# KiCad board vme-wren.kicad_pcb (continued)
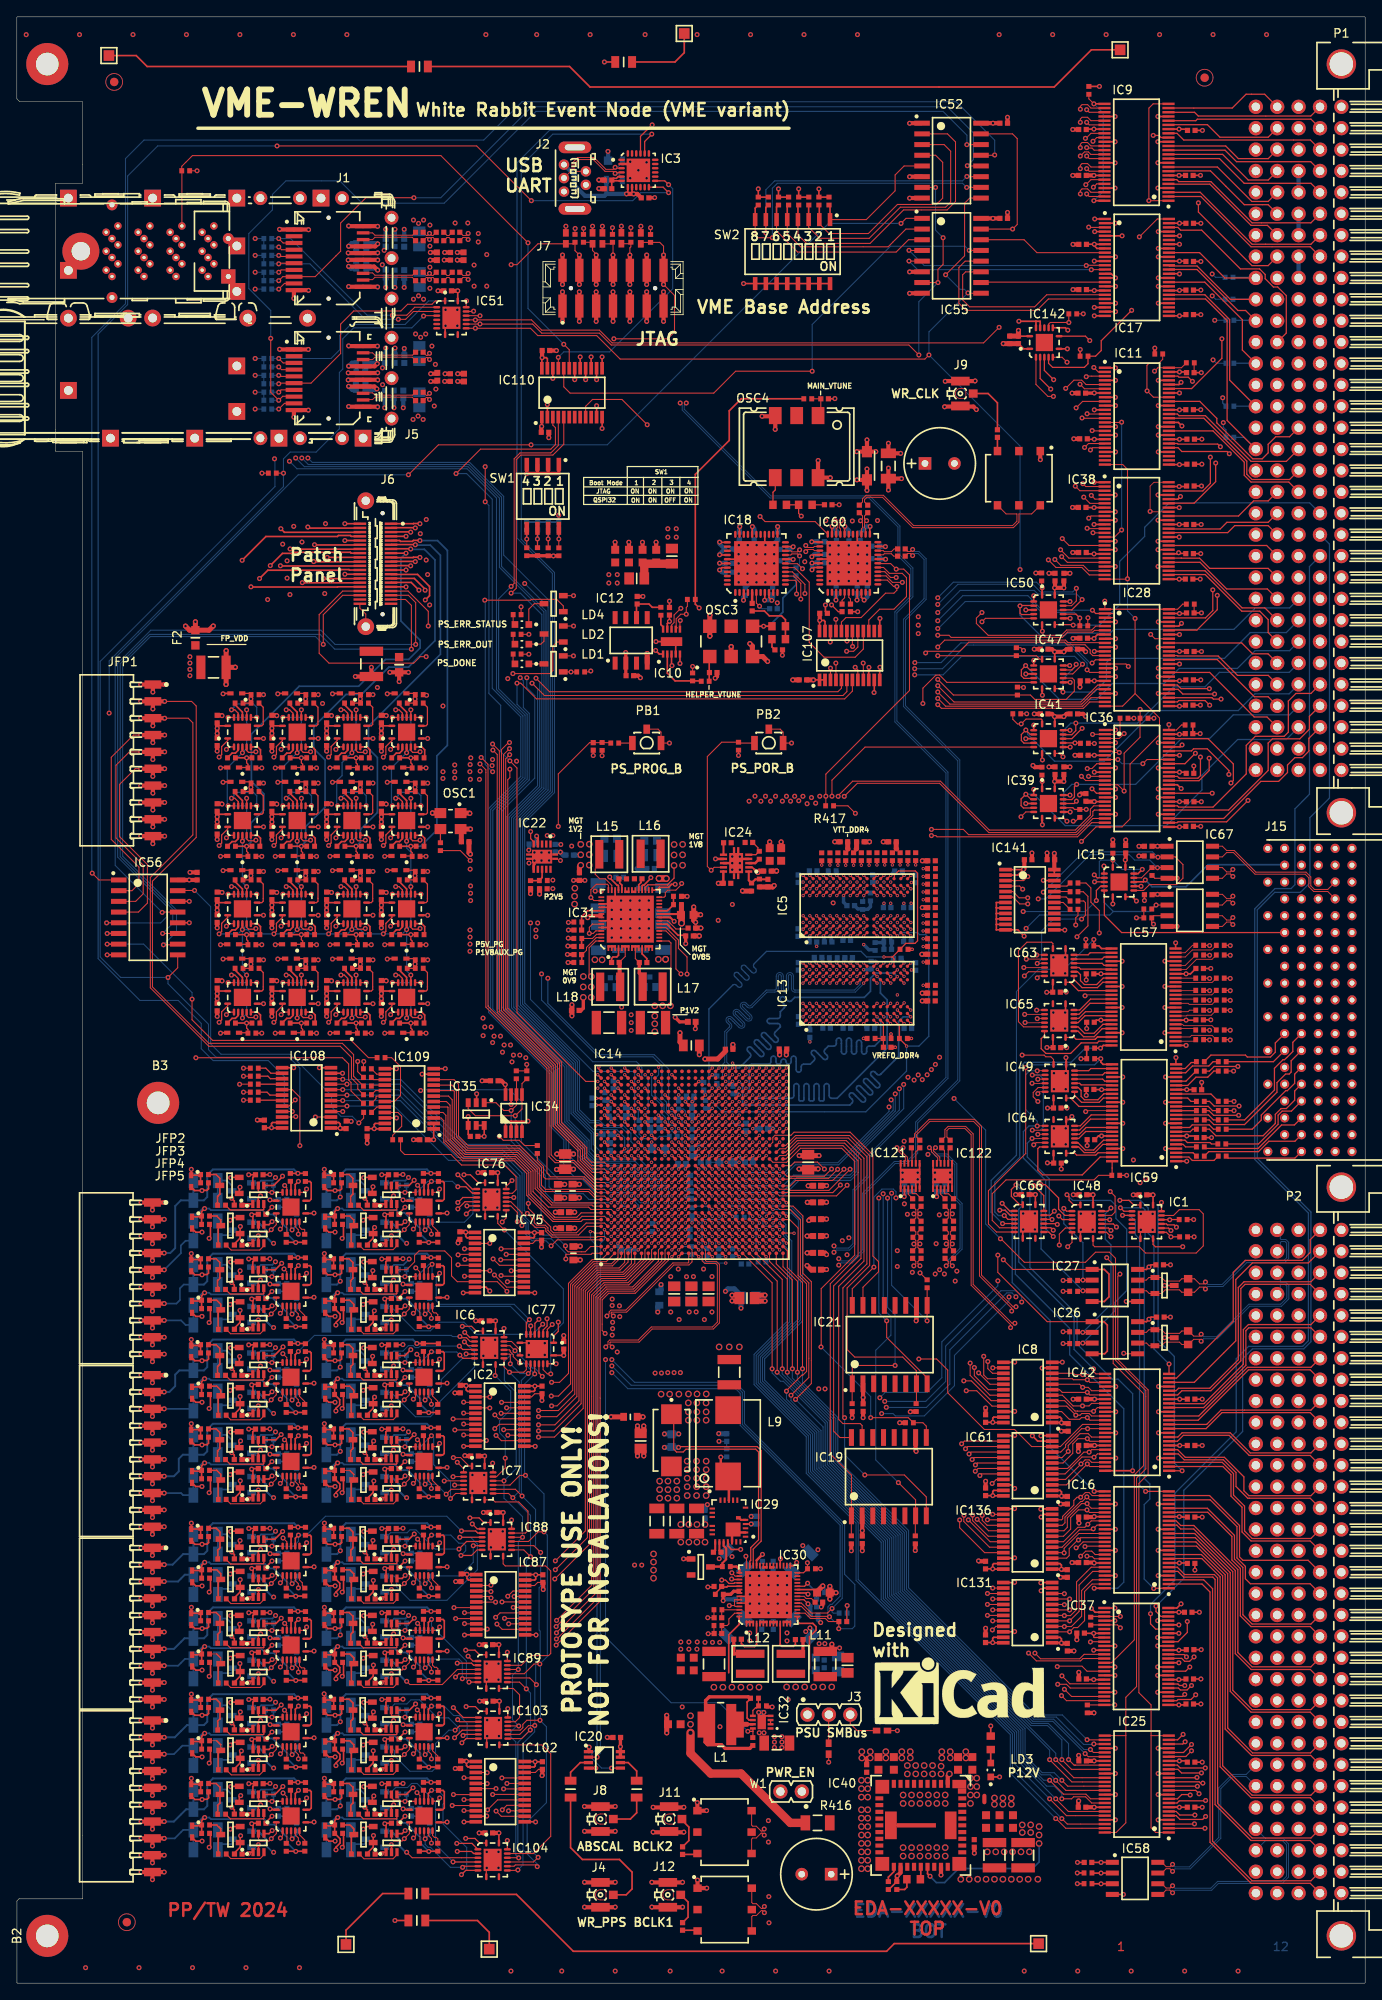
[diagram p0: board, top side]
## Library data of the parts (continued)
R208 R209 = -: Val: 2K87; Library Ref: Resistor - 1%; Library Path: SchLib\Resistors.SchLib; Comment: 2K87; Component Kind: Standard; Component Type: Standard; Pin Count: 2; Footprint Path: PcbLib\Resistors SMD.PcbLib; Footprint Ref: RESC1005X40N; Status: None; Power: 0.063W; TC: ±100ppm/°C; Tolerance: ±1%; Part Description: General Purpose Thick Film Chip Resistor; Manufacturer: GENERIC; Case: 0402; PressFit: No; Mounted: Yes; Sense: No; Socket: No; SMD: Yes; Manufacturer1 Example: VISHAY; Manufacturer1 Part Number: CRCW04022K87FK; Manufacturer1 ComponentHeight: 0.4mm; Author: CERN DEM BC; CreateDate: 02/08/21 00:00:00; LatestRevisionDate: 02/08/21 00:00:00; Database Table Name: Resistors; Library Name: Resistors SMD; Footprint Library: Resistors SMD; License: CC-BY-SA 4.0
R210 = -: Val: 1M1; Library Ref: Resistor - 1%; Library Path: SchLib\Resistors.SchLib; Comment: 1M1; Component Kind: Standard; Component Type: Standard; Pin Count: 2; Footprint Path: PcbLib\Resistors SMD.PcbLib; Footprint Ref: RESC1005X40N; Status: Not Recommended; Power: 0.0625W; TC: ±100ppm/°C; Tolerance: ±1%; Part Description: General Purpose Thick Film Chip Resistor; Manufacturer: GENERIC; Case: 0402; PressFit: No; Mounted: Yes; Sense: No; Socket: No; SMD: Yes; Manufacturer1 Example: YAGEO PHYCOMP; Manufacturer1 Part Number: 232270671105L; Manufacturer1 ComponentHeight: 0.4mm; Author: CERN DEM JLC; CreateDate: 12/03/07 00:00:00; LatestRevisionDate: 10/17/12 00:00:00; Database Table Name: Resistors; Library Name: Resistors SMD; Footprint Library: Resistors SMD; License: CC-BY-SA 4.0
R211 = -: Val: 210k; Library Ref: Resistor - 1%; Library Path: SchLib\Resistors.SchLib; Comment: 210k; Component Kind: Standard; Component Type: Standard; Pin Count: 2; Footprint Path: PcbLib\Resistors SMD.PcbLib; Footprint Ref: RESC1005X40N; Status: None; Power: 0.063W; TC: ±100ppm/°C; Tolerance: ±1%; Part Description: General Purpose Thick Film Chip Resistor; Manufacturer: GENERIC; Case: 0402; PressFit: No; Mounted: Yes; Sense: No; Socket: No; SMD: Yes; Manufacturer1 Example: VISHAY; Manufacturer1 Part Number: CRCW0402210KFK; Manufacturer1 ComponentHeight: 0.4mm; Author: CERN DEM BC; CreateDate: 02/08/21 00:00:00; LatestRevisionDate: 02/08/21 00:00:00; Database Table Name: Resistors; Library Name: Resistors SMD; Footprint Library: Resistors SMD; License: CC-BY-SA 4.0
R214 = -: Val: 698; Library Ref: Resistor - 1%; Library Path: SchLib\Resistors.SchLib; Comment: 698; Component Kind: Standard; Component Type: Standard; Pin Count: 2; Footprint Path: PcbLib\Resistors SMD.PcbLib; Footprint Ref: RESC1005X40N; Status: None; Power: 0.063W; TC: ±100ppm/°C; Tolerance: ±1%; Part Description: General Purpose Thick Film Chip Resistor; Manufacturer: GENERIC; Case: 0402; PressFit: No; Mounted: Yes; Sense: No; Socket: No; SMD: Yes; Manufacturer1 Example: VISHAY; Manufacturer1 Part Number: CRCW0402698RFK; Manufacturer1 ComponentHeight: 0.4mm; Author: CERN DEM BC; CreateDate: 02/08/21 00:00:00; LatestRevisionDate: 02/08/21 00:00:00; Database Table Name: Resistors; Library Name: Resistors SMD; Footprint Library: Resistors SMD; License: CC-BY-SA 4.0
R216 R217 = -: Val: 3K48; Library Ref: Resistor - 1%; Library Path: SchLib\Resistors.SchLib; Comment: 3K48; Component Kind: Standard; Component Type: Standard; Pin Count: 2; Footprint Path: PcbLib\Resistors SMD.PcbLib; Footprint Ref: RESC1005X40N; Status: None; Power: 0.063W; TC: ±100ppm/°C; Tolerance: ±1%; Part Description: General Purpose Thick Film Chip Resistor; Manufacturer: GENERIC; Case: 0402; PressFit: No; Mounted: Yes; Sense: No; Socket: No; SMD: Yes; Manufacturer1 Example: VISHAY; Manufacturer1 Part Number: CRCW04023K48FK; Manufacturer1 ComponentHeight: 0.4mm; Author: CERN DEM BC; CreateDate: 02/08/21 00:00:00; LatestRevisionDate: 02/08/21 00:00:00; Database Table Name: Resistors; Library Name: Resistors SMD; Footprint Library: Resistors SMD; License: CC-BY-SA 4.0
R251 = -: Author: CERN DEM JLC; Case: 0603; Comment: 820; Component Kind: Standard; Component Type: Standard; CreateDate: 12/03/07 00:00:00; Database Table Name: Resistors; Footprint Library: Resistors SMD; Footprint Path: PcbLib\Resistors SMD.PcbLib; Footprint Ref: RESC1608X55N; LatestRevisionDate: 03/13/08 00:00:00; Library Name: Resistors SMD; Library Path: SchLib\Resistors.SchLib; Library Ref: Resistor - 1%; License: CC-BY-SA 4.0; Manufacturer: GENERIC; Manufacturer1 ComponentHeight: 0.55mm; Manufacturer1 Example: NIC COMPONENT; Manufacturer1 Part Number: NRC06F8200TRF; Mounted: Yes; Part Description: General Purpose Thick Film Chip Resistor; Pin Count: 2; Power: 0.1W; PressFit: No; SMD: Yes; Sense: No; Socket: No; Status: Preferred; TC: ±100ppm/°C; Tolerance: ±1%; Val: 820
R253 = -: Val: 402; Library Ref: Resistor - 1%; Library Path: SchLib\Resistors.SchLib; Comment: 402; Component Kind: Standard; Component Type: Standard; Pin Count: 2; Footprint Path: PcbLib\Resistors SMD.PcbLib; Footprint Ref: RESC1005X40N; Status: None; Power: 0.063W; TC: ±100ppm/°C; Tolerance: ±1%; Part Description: General Purpose Thick Film Chip Resistor; Manufacturer: GENERIC; Case: 0402; PressFit: No; Mounted: Yes; Sense: No; Socket: No; SMD: Yes; Manufacturer1 Example: VISHAY; Manufacturer1 Part Number: CRCW0402402RFK; Manufacturer1 ComponentHeight: 0.4mm; Author: CERN DEM BC; CreateDate: 02/08/21 00:00:00; LatestRevisionDate: 02/08/21 00:00:00; Database Table Name: Resistors; Library Name: Resistors SMD; Footprint Library: Resistors SMD; License: CC-BY-SA 4.0
R397 R398 R400 R401 = -: Description: ±1%; Val: 2M2; Library Ref: Resistor - 1%; Library Path: SchLib\Resistors.SchLib; Comment: 2M2; Component Kind: Standard; Component Type: Standard; Pin Count: 2; Footprint Path: PcbLib\Resistors SMD.PcbLib; Footprint Ref: RESC2012X60N; Status: Preferred; Power: 0.125W; TC: ±100ppm/°C; Tolerance: ±1%; Part Description: General Purpose Thick Film Chip Resistor; Manufacturer: GENERIC; Case: 0805; PressFit: No; Mounted: Yes; Sense: No; Socket: No; SMD: Yes; Manufacturer1 Example: NIC COMPONENT; Manufacturer1 Part Number: NRC10F2204TRF; Manufacturer1 ComponentHeight: 0.6mm; Author: CERN DEM JLC; CreateDate: 12/03/07 00:00:00; LatestRevisionDate: 03/13/08 00:00:00; Database Table Name: Resistors; Library Name: Resistors SMD; Footprint Library: Resistors SMD; License: CC-BY-SA 4.0
R402 = -: Description: ±1%; Val: 10k; Library Ref: Resistor - 1%; Library Path: SchLib\Resistors.SchLib; Comment: 10k; Component Kind: Standard; Component Type: Standard; Pin Count: 2; Footprint Path: PcbLib\Resistors SMD.PcbLib; Footprint Ref: RESC1005X40N; Status: Not Recommended; Power: 0.0625W; TC: ±100ppm/°C; Tolerance: ±1%; Part Description: General Purpose Thick Film Chip Resistor; Manufacturer: GENERIC; Case: 0402; PressFit: No; Mounted: No; Sense: No; Socket: No; SMD: Yes; Manufacturer1 Example: YAGEO PHYCOMP; Manufacturer1 Part Number: 232270671003L; Manufacturer1 ComponentHeight: 0.4mm; Author: CERN DEM JLC; CreateDate: 12/03/07 00:00:00; LatestRevisionDate: 10/17/12 00:00:00; Database Table Name: Resistors; Library Name: Resistors SMD; Footprint Library: Resistors SMD; License: CC-BY-SA 4.0
R416 = -: Description: 0; Val: 91; Library Ref: Resistor; Library Path: SchLib\Resistors.SchLib; Comment: 0; Component Kind: Standard; Component Type: Standard; Pin Count: 2; Footprint Path: PcbLib\Resistors SMD.PcbLib; Footprint Ref: RESC3216X65N; Status: Preferred; Part Description: 2A (0.05R Max DC Resistance) Zero Ohm Jumper; Manufacturer: GENERIC; Case: 1206; PressFit: No; Mounted: No; Sense: No; Socket: No; SMD: Yes; Manufacturer1 Example: NIC COMPONENT; Manufacturer1 Part Number: NRC12Z0; Manufacturer1 ComponentHeight: 0.65mm; Author: CERN DEM JLC; CreateDate: 12/03/07 00:00:00; LatestRevisionDate: 03/13/08 00:00:00; Database Table Name: Resistors; Library Name: Resistors SMD; Footprint Library: Resistors SMD; License: CC-BY-SA 4.0
SCREW1-SCREW4 = -: Description: M2.5x10; Library Ref: Screw; Library Path: SchLib\Fasteners & Fixings.SchLib; Comment: M2.5x10; Component Kind: Standard; Component Type: Mechanical; Pin Count: 0; Footprint Path: PcbLib\Fasteners & Fixings.PcbLib; PackageDescription: M2.5 L=10mm Hexalobular Socket Pan Head Screw, Fully Threaded - Stainless Steel A2; Mounted: Yes; Socket: No; SMD: No; PressFit: No; Sense: No; Status: None; Part Description: M2.5 L=10mm Hexalobular Socket Pan Head Screw, Fully Threaded, Stainless Steel A2; Manufacturer: BOSSARD; Manufacturer Part Number: BN5687 Art.3061600; ComponentHeight: 2.1mm; Author: CERN DEM JLC; CreateDate: 10/22/12 00:00:00; LatestRevisionDate: 10/22/12 00:00:00; Database Table Name: Eletro-mechanical; Library Name: Fasteners & Fixings; Footprint Library: Fasteners & Fixings; License: CC-BY-SA 4.0
SW1 = -: SMD: Yes; Family: Switch; Library Ref: SW 4x SPST DIP Switch; Library Path: SchLib\Switches.SchLib; Component Kind: Standard; Component Type: Standard; Pin Count: 8; Footprint Path: PcbLib\Switches.PcbLib; PackageDescription: Pitch 1.27mm,  Body 6.2x6.2mm, 4 Ways SPST Surface-Mount DIP Switch, TYCO GDH Series; Mounted: Yes; Socket: No; PressFit: No; Sense: No; Status: None; Part Description: 4 Way SPST SMD DIP Switch, Latched, Contact Rating 0.025A 24VDC; Manufacturer: TYCO; Manufacturer Part Number: 1571983-4 or GDH04S04; ComponentHeight: 2.31mm; Author: CERN DEM JLC; CreateDate: 01/08/09 00:00:00; LatestRevisionDate: 01/08/09 00:00:00; Database Table Name: Eletro-mechanical; Library Name: Switches; Footprint Library: Switches; License: CC-BY-SA 4.0
SW2 = -: Description: Switch; Library Ref: SW 8x SPST DIP Switch; Library Path: SchLib\Switches.SchLib; Component Kind: Standard; Component Type: Standard; Pin Count: 16; Footprint Path: PcbLib\Switches.PcbLib; PackageDescription: Pitch 1.27mm,  Body 11.28x6.2mm, 8 Ways SPST Surface-Mount DIP Switch,TYCO GDH Series; Family: Switch; Mounted: Yes; Socket: No; SMD: Yes; PressFit: No; Sense: No; Status: None; Part Description: 8 Way SPST SMD DIP Switch, Latched, Contact Rating 0.025A 24VDC; Manufacturer: TYCO; Manufacturer Part Number: 1-1571983-0 or GDH08S04; ComponentHeight: 2.31mm; Author: CERN DEM JLC; CreateDate: 01/08/09 00:00:00; LatestRevisionDate: 01/08/09 00:00:00; Database Table Name: Eletro-mechanical; Library Name: Switches; Footprint Library: Switches; License: CC-BY-SA 4.0
T2-T4 = -: Library Ref: N-MOSFET-D 1G 2S 3D; Library Path: SchLib\Transistors.SchLib; Component Kind: Standard; Component Type: Standard; PackageDescription: SOT23, 0.95mm Pitch; 3 Pin, 1.40mm W X 3.00mm L X 1.10mm H body, IPC Medium Density; Part Description: 50V, 200mA N-Channel Enhancement Mode Field-Effect Transistor; Manufacturer: ON SEMICONDUCTOR; Pin Count: 3; Case: SOT23-3; Mounted: Yes; Socket: No; PressFit: No; SMD: Yes; Sense: No; Bonding: No; ComponentHeight: 1.11mm; Footprint Path: PcbLib\ICs And Semiconductors SMD.PcbLib; Footprint Ref: SOT95P240X110-3N; Author: CERN DEM JLC; CreateDate: 03/23/09 00:00:00; LatestRevisionDate: 03/23/09 00:00:00; Database Table Name: ICs And Semiconductors; Library Name: Transistors; Footprint Library: ICs And Semiconductors SMD; License: CC-BY-SA 4.0
T5 T7 T9 T11 T13 T15 T19 T21 T23 T25 T27 T29 T31 T35 T37 T39-T55 = -: Library Path: SchLib\Transistors.SchLib; Component Kind: Standard; Component Type: Standard; PackageDescription: SOT23, 0.95mm Pitch; 3 Pin, 1.40mm W X 3.00mm L X 1.10mm H body, IPC Medium Density; Part Description: 25V, 0.22A, N-Channel Digital FET; Manufacturer: FAIRCHILD SEMICONDUCTOR; Pin Count: 3; Case: SOT23-3; Mounted: Yes; Socket: No; PressFit: No; SMD: Yes; Sense: No; Bonding: No; ComponentHeight: 1.12mm; Footprint Path: PcbLib\ICs And Semiconductors SMD.PcbLib; Footprint Ref: SOT95P240X110-3N; Author: CERN DEM JLC; CreateDate: 05/19/08 00:00:00; LatestRevisionDate: 10/11/17 00:00:00; Database Table Name: ICs And Semiconductors; Library Name: Transistors; Footprint Library: ICs And Semiconductors SMD; License: CC-BY-SA 4.0
TP1-TP6 = -: Datasheet: Undefined; Description: Test Point; Library Ref: Test Point; Library Path: SchLib\Pads.SchLib; Component Kind: Standard (No BOM); Component Type: Standard (No BOM); Pin Count: 1; Footprint Path: PcbLib\Pads.PcbLib; Footprint Ref: TPS127; Family: Test Point; Mounted: No; Socket: No; SMD: No; Sense: No; Status: None; Part Description: 1.27mm x 1.27mm PCB Copper Area (SMD Test Point); ComponentHeight: 0mm; HelpURL: Undefined; Author: CERN DEM JLC; CreateDate: 01/12/08 00:00:00; LatestRevisionDate: 01/12/08 00:00:00; PackageDescription: 1.27mm x 1.27mm PCB Copper Area (SMD Test Point); Database Table Name: Eletro-mechanical; Library Name: Pads; Footprint Library: Pads; License: CC-BY-SA 4.0
TR1-TR3 = -: SMD: Yes; Val: 1:2; Library Path: SchLib\Inductors & Transformers.SchLib; Comment: 1:2; Component Kind: Standard; Component Type: Standard; Pin Count: 6; Footprint Path: PcbLib\Transformers.PcbLib; Footprint Ref: XFMR_MINI-CIRCUITS_CD542; Status: None; Part Description: 50 Ohms 0.4 to 450MHz RF Transformer; Manufacturer: MINI-CIRCUITS; Manufacturer Part Number: ADT2-1T+; Mounted: Yes; Socket: No; Sense: No; ComponentHeight: 2.84mm; Author: CERN DEM MR; CreateDate: 10/21/19 00:00:00; LatestRevisionDate: 10/21/19 00:00:00; Database Table Name: Inductors & Transformers; Library Name: Transformers; Footprint Library: Transformers; License: CC-BY-SA 4.0
W1 = -: Author: CERN DEM JLC; Component Kind: Standard; Component Type: Standard; ComponentHeight: 7.87mm; CreateDate: 12/13/12 00:00:00; Database Table Name: Connectors; Family: Header 2; Footprint Library: SAMTEC THD; Footprint Path: PcbLib\SAMTEC THD.PcbLib; LatestRevisionDate: 12/13/12 00:00:00; Library Name: SAMTEC; Library Path: SchLib\Connectors.SchLib; Library Ref: Wire-Wrap Contact x2; License: CC-BY-SA 4.0; Manufacturer: SAMTEC; Manufacturer Part Number: MTLW-102-07-L-S-250; Mounted: Yes; Part Description: 2 Contacts, Pitch 2.54mm, Single Row Through Mount Straight Header (Post Lead = 6.35mm, Tail Lead 3.05mm, Insulator 1.52mm); Pin Count: 2; PressFit: No; SMD: No; Sense: No; Socket: No; Status: None
WASHER1-WASHER4 = -: Description: D5xd2.7; Library Ref: Washer; Library Path: SchLib\Fasteners & Fixings.SchLib; Comment: D5xd2.7; Component Kind: Standard; Component Type: Mechanical; Pin Count: 0; Footprint Path: PcbLib\Fasteners & Fixings.PcbLib; PackageDescription: Waved Spring Washer for M2.5 Screw, Stainless Steel A2 / 1.4310; Mounted: Yes; Socket: No; SMD: No; PressFit: No; Sense: No; Status: Obsolete; Status Comment: Replaced by BOSSARD_BN83728-8051127_v; Part Description: Waved Spring Washer for M2.5 Screw, Stainless Steel A2 / 1.4310; Manufacturer: BOSSARD; Manufacturer Part Number: BN678 Art.8303525; ComponentHeight: 0.3mm; Author: CERN DEM JLC; CreateDate: 10/22/12 00:00:00; LatestRevisionDate: 01/15/13 00:00:00; Database Table Name: Eletro-mechanical; Library Name: Fasteners & Fixings; Footprint Library: Fasteners & Fixings; License: CC-BY-SA 4.0

## Footprints (pads in the part's own frame, mm; a bottom-side part is the same pattern mirrored in y, then rotated)
BGA96C80P9X16_750X1350X120
  round 0.4 smd: A1(-3.2,6) A2(-2.4,6) A3(-1.6,6) A7(1.6,6) A8(2.4,6) A9(3.2,6) B1(-3.2,5.2) B2(-2.4,5.2) B3(-1.6,5.2) B7(1.6,5.2) B8(2.4,5.2) B9(3.2,5.2) C1(-3.2,4.4) C2(-2.4,4.4) C3(-1.6,4.4) C7(1.6,4.4) C8(2.4,4.4) C9(3.2,4.4) D1(-3.2,3.6) D2(-2.4,3.6) D3(-1.6,3.6) D7(1.6,3.6) D8(2.4,3.6) D9(3.2,3.6) E1(-3.2,2.8) E2(-2.4,2.8) E3(-1.6,2.8) E7(1.6,2.8) E8(2.4,2.8) E9(3.2,2.8) F1(-3.2,2) F2(-2.4,2) F3(-1.6,2) F7(1.6,2) F8(2.4,2) F9(3.2,2) G1(-3.2,1.2) G2(-2.4,1.2) G3(-1.6,1.2) G7(1.6,1.2) G8(2.4,1.2) G9(3.2,1.2) H1(-3.2,0.4) H2(-2.4,0.4) H3(-1.6,0.4) H7(1.6,0.4) H8(2.4,0.4) H9(3.2,0.4) J1(-3.2,-0.4) J2(-2.4,-0.4) J3(-1.6,-0.4) J7(1.6,-0.4) J8(2.4,-0.4) J9(3.2,-0.4) K1(-3.2,-1.2) K2(-2.4,-1.2) K3(-1.6,-1.2) K7(1.6,-1.2) K8(2.4,-1.2) K9(3.2,-1.2) L1(-3.2,-2) L2(-2.4,-2) L3(-1.6,-2) L7(1.6,-2) L8(2.4,-2) L9(3.2,-2) M1(-3.2,-2.8) M2(-2.4,-2.8) M3(-1.6,-2.8) M7(1.6,-2.8) M8(2.4,-2.8) M9(3.2,-2.8) N1(-3.2,-3.6) N2(-2.4,-3.6) N3(-1.6,-3.6) N7(1.6,-3.6) N8(2.4,-3.6) N9(3.2,-3.6) P1(-3.2,-4.4) P2(-2.4,-4.4) P3(-1.6,-4.4) P7(1.6,-4.4) P8(2.4,-4.4) P9(3.2,-4.4) R1(-3.2,-5.2) R2(-2.4,-5.2) R3(-1.6,-5.2) R7(1.6,-5.2) R8(2.4,-5.2) R9(3.2,-5.2) T1(-3.2,-6) T2(-2.4,-6) T3(-1.6,-6) T7(1.6,-6) T8(2.4,-6) T9(3.2,-6)
BGA784C80P28X28_2300X2300X332
  round 0.45 smd: A1(-10.8,10.8) A2(-10,10.8) A3(-9.2,10.8) A4(-8.4,10.8) A5(-7.6,10.8) A6(-6.8,10.8) A7(-6,10.8) A8(-5.2,10.8) A9(-4.4,10.8) A10(-3.6,10.8) A11(-2.8,10.8) A12(-2,10.8) A13(-1.2,10.8) A14(-0.4,10.8) A15(0.4,10.8) A16(1.2,10.8) A17(2,10.8) A18(2.8,10.8) A19(3.6,10.8) A20(4.4,10.8) A21(5.2,10.8) A22(6,10.8) A23(6.8,10.8) A24(7.6,10.8) A25(8.4,10.8) A26(9.2,10.8) A27(10,10.8) A28(10.8,10.8) AA1(-10.8,-5.2) AA2(-10,-5.2) AA3(-9.2,-5.2) AA4(-8.4,-5.2) AA5(-7.6,-5.2) AA6(-6.8,-5.2) AA7(-6,-5.2) AA8(-5.2,-5.2) AA9(-4.4,-5.2) AA10(-3.6,-5.2) AA11(-2.8,-5.2) AA12(-2,-5.2) AA13(-1.2,-5.2) AA14(-0.4,-5.2) AA15(0.4,-5.2) AA16(1.2,-5.2) AA17(2,-5.2) AA18(2.8,-5.2) AA19(3.6,-5.2) AA20(4.4,-5.2) AA21(5.2,-5.2) AA22(6,-5.2) AA23(6.8,-5.2) AA24(7.6,-5.2) AA25(8.4,-5.2) AA26(9.2,-5.2) AA27(10,-5.2) AA28(10.8,-5.2) AB1(-10.8,-6) AB2(-10,-6) AB3(-9.2,-6) AB4(-8.4,-6) AB5(-7.6,-6) AB6(-6.8,-6) AB7(-6,-6) AB8(-5.2,-6) AB9(-4.4,-6) AB10(-3.6,-6) AB11(-2.8,-6) AB12(-2,-6) AB13(-1.2,-6) AB14(-0.4,-6) AB15(0.4,-6) AB16(1.2,-6) AB17(2,-6) AB18(2.8,-6) AB19(3.6,-6) AB20(4.4,-6) AB21(5.2,-6) AB22(6,-6) AB23(6.8,-6) AB24(7.6,-6) AB25(8.4,-6) AB26(9.2,-6) AB27(10,-6) AB28(10.8,-6) AC1(-10.8,-6.8) AC2(-10,-6.8) AC3(-9.2,-6.8) AC4(-8.4,-6.8) AC5(-7.6,-6.8) AC6(-6.8,-6.8) AC7(-6,-6.8) AC8(-5.2,-6.8) AC9(-4.4,-6.8) AC10(-3.6,-6.8) AC11(-2.8,-6.8) AC12(-2,-6.8) AC13(-1.2,-6.8) AC14(-0.4,-6.8) AC15(0.4,-6.8) AC16(1.2,-6.8) AC17(2,-6.8) AC18(2.8,-6.8) AC19(3.6,-6.8) AC20(4.4,-6.8) AC21(5.2,-6.8) AC22(6,-6.8) AC23(6.8,-6.8) AC24(7.6,-6.8) AC25(8.4,-6.8) AC26(9.2,-6.8) AC27(10,-6.8) AC28(10.8,-6.8) AD1(-10.8,-7.6) AD2(-10,-7.6) AD3(-9.2,-7.6) AD4(-8.4,-7.6) AD5(-7.6,-7.6) AD6(-6.8,-7.6) AD7(-6,-7.6) AD8(-5.2,-7.6) AD9(-4.4,-7.6) AD10(-3.6,-7.6) AD11(-2.8,-7.6) AD12(-2,-7.6) AD13(-1.2,-7.6) AD14(-0.4,-7.6) AD15(0.4,-7.6) AD16(1.2,-7.6) AD17(2,-7.6) AD18(2.8,-7.6) AD19(3.6,-7.6) AD20(4.4,-7.6) AD21(5.2,-7.6) AD22(6,-7.6) AD23(6.8,-7.6) AD24(7.6,-7.6) AD25(8.4,-7.6) AD26(9.2,-7.6) AD27(10,-7.6) AD28(10.8,-7.6) AE1(-10.8,-8.4) AE2(-10,-8.4) AE3(-9.2,-8.4) AE4(-8.4,-8.4) AE5(-7.6,-8.4) AE6(-6.8,-8.4) AE7(-6,-8.4) AE8(-5.2,-8.4) AE9(-4.4,-8.4) AE10(-3.6,-8.4) AE11(-2.8,-8.4) AE12(-2,-8.4) AE13(-1.2,-8.4) AE14(-0.4,-8.4) AE15(0.4,-8.4) AE16(1.2,-8.4) AE17(2,-8.4) AE18(2.8,-8.4) AE19(3.6,-8.4) AE20(4.4,-8.4) AE21(5.2,-8.4) AE22(6,-8.4) AE23(6.8,-8.4) AE24(7.6,-8.4) AE25(8.4,-8.4) AE26(9.2,-8.4) AE27(10,-8.4) AE28(10.8,-8.4) AF1(-10.8,-9.2) AF2(-10,-9.2) AF3(-9.2,-9.2) AF4(-8.4,-9.2) AF5(-7.6,-9.2) AF6(-6.8,-9.2) AF7(-6,-9.2) AF8(-5.2,-9.2) AF9(-4.4,-9.2) AF10(-3.6,-9.2) AF11(-2.8,-9.2) AF12(-2,-9.2) AF13(-1.2,-9.2) AF14(-0.4,-9.2) AF15(0.4,-9.2) AF16(1.2,-9.2) AF17(2,-9.2) AF18(2.8,-9.2) AF19(3.6,-9.2) AF20(4.4,-9.2) AF21(5.2,-9.2) AF22(6,-9.2) AF23(6.8,-9.2) AF24(7.6,-9.2) AF25(8.4,-9.2) AF26(9.2,-9.2) AF27(10,-9.2) AF28(10.8,-9.2) AG1(-10.8,-10) AG2(-10,-10) AG3(-9.2,-10) AG4(-8.4,-10) AG5(-7.6,-10) AG6(-6.8,-10) AG7(-6,-10) AG8(-5.2,-10) AG9(-4.4,-10) AG10(-3.6,-10) AG11(-2.8,-10) AG12(-2,-10) AG13(-1.2,-10) AG14(-0.4,-10) AG15(0.4,-10) AG16(1.2,-10) AG17(2,-10) AG18(2.8,-10) AG19(3.6,-10) AG20(4.4,-10) AG21(5.2,-10) AG22(6,-10) AG23(6.8,-10) AG24(7.6,-10) AG25(8.4,-10) AG26(9.2,-10) AG27(10,-10) AG28(10.8,-10) AH1(-10.8,-10.8) AH2(-10,-10.8) AH3(-9.2,-10.8) AH4(-8.4,-10.8) AH5(-7.6,-10.8) AH6(-6.8,-10.8) AH7(-6,-10.8) AH8(-5.2,-10.8) AH9(-4.4,-10.8) AH10(-3.6,-10.8) AH11(-2.8,-10.8) AH12(-2,-10.8) AH13(-1.2,-10.8) AH14(-0.4,-10.8) AH15(0.4,-10.8) AH16(1.2,-10.8) AH17(2,-10.8) AH18(2.8,-10.8) AH19(3.6,-10.8) AH20(4.4,-10.8) AH21(5.2,-10.8) AH22(6,-10.8) AH23(6.8,-10.8) AH24(7.6,-10.8) AH25(8.4,-10.8) AH26(9.2,-10.8) AH27(10,-10.8) AH28(10.8,-10.8) B1(-10.8,10) B2(-10,10) B3(-9.2,10) B4(-8.4,10) B5(-7.6,10) B6(-6.8,10) B7(-6,10) B8(-5.2,10) B9(-4.4,10) B10(-3.6,10) B11(-2.8,10) B12(-2,10) B13(-1.2,10) B14(-0.4,10) B15(0.4,10) B16(1.2,10) B17(2,10) B18(2.8,10) B19(3.6,10) B20(4.4,10) B21(5.2,10) B22(6,10) B23(6.8,10) B24(7.6,10) B25(8.4,10) B26(9.2,10) B27(10,10) B28(10.8,10) C1(-10.8,9.2) C2(-10,9.2) C3(-9.2,9.2) C4(-8.4,9.2) C5(-7.6,9.2) C6(-6.8,9.2) C7(-6,9.2) C8(-5.2,9.2) C9(-4.4,9.2) C10(-3.6,9.2) C11(-2.8,9.2) C12(-2,9.2) C13(-1.2,9.2) C14(-0.4,9.2) C15(0.4,9.2) C16(1.2,9.2) C17(2,9.2) C18(2.8,9.2) C19(3.6,9.2) C20(4.4,9.2) C21(5.2,9.2) C22(6,9.2) C23(6.8,9.2) C24(7.6,9.2) C25(8.4,9.2) C26(9.2,9.2) C27(10,9.2) C28(10.8,9.2) D1(-10.8,8.4) D2(-10,8.4) D3(-9.2,8.4) D4(-8.4,8.4) D5(-7.6,8.4) D6(-6.8,8.4) D7(-6,8.4) D8(-5.2,8.4) D9(-4.4,8.4) D10(-3.6,8.4) D11(-2.8,8.4) D12(-2,8.4) D13(-1.2,8.4) D14(-0.4,8.4) D15(0.4,8.4) D16(1.2,8.4) D17(2,8.4) D18(2.8,8.4) D19(3.6,8.4) D20(4.4,8.4) D21(5.2,8.4) D22(6,8.4) D23(6.8,8.4) D24(7.6,8.4) D25(8.4,8.4) D26(9.2,8.4) D27(10,8.4) D28(10.8,8.4) E1(-10.8,7.6) E2(-10,7.6) E3(-9.2,7.6) E4(-8.4,7.6) E5(-7.6,7.6) E6(-6.8,7.6) E7(-6,7.6) E8(-5.2,7.6) E9(-4.4,7.6) E10(-3.6,7.6) E11(-2.8,7.6) E12(-2,7.6) E13(-1.2,7.6) E14(-0.4,7.6) E15(0.4,7.6) E16(1.2,7.6) E17(2,7.6) E18(2.8,7.6) E19(3.6,7.6) E20(4.4,7.6) E21(5.2,7.6) E22(6,7.6) E23(6.8,7.6) E24(7.6,7.6) E25(8.4,7.6) E26(9.2,7.6) E27(10,7.6) E28(10.8,7.6) F1(-10.8,6.8) F2(-10,6.8) F3(-9.2,6.8) F4(-8.4,6.8) F5(-7.6,6.8) F6(-6.8,6.8) F7(-6,6.8) F8(-5.2,6.8) F9(-4.4,6.8) F10(-3.6,6.8) F11(-2.8,6.8) F12(-2,6.8) F13(-1.2,6.8) F14(-0.4,6.8) F15(0.4,6.8) F16(1.2,6.8) F17(2,6.8) F18(2.8,6.8) F19(3.6,6.8) F20(4.4,6.8) F21(5.2,6.8) F22(6,6.8) F23(6.8,6.8) F24(7.6,6.8) F25(8.4,6.8) F26(9.2,6.8) F27(10,6.8) F28(10.8,6.8) G1(-10.8,6) G2(-10,6) G3(-9.2,6) G4(-8.4,6) G5(-7.6,6) G6(-6.8,6) G7(-6,6) G8(-5.2,6) G9(-4.4,6) G10(-3.6,6) G11(-2.8,6) G12(-2,6) G13(-1.2,6) G14(-0.4,6) G15(0.4,6) G16(1.2,6) G17(2,6) G18(2.8,6) G19(3.6,6) G20(4.4,6) G21(5.2,6) G22(6,6) G23(6.8,6) G24(7.6,6) G25(8.4,6) G26(9.2,6) G27(10,6) G28(10.8,6) H1(-10.8,5.2) H2(-10,5.2) H3(-9.2,5.2) H4(-8.4,5.2) H5(-7.6,5.2) H6(-6.8,5.2) H7(-6,5.2) H8(-5.2,5.2) H9(-4.4,5.2) H10(-3.6,5.2) H11(-2.8,5.2) H12(-2,5.2) H13(-1.2,5.2) H14(-0.4,5.2) H15(0.4,5.2) H16(1.2,5.2) H17(2,5.2) H18(2.8,5.2) H19(3.6,5.2) H20(4.4,5.2) H21(5.2,5.2) H22(6,5.2) H23(6.8,5.2) H24(7.6,5.2) H25(8.4,5.2) H26(9.2,5.2) H27(10,5.2) H28(10.8,5.2) J1(-10.8,4.4) J2(-10,4.4) J3(-9.2,4.4) J4(-8.4,4.4) J5(-7.6,4.4) J6(-6.8,4.4) J7(-6,4.4) J8(-5.2,4.4) J9(-4.4,4.4) J10(-3.6,4.4) J11(-2.8,4.4) J12(-2,4.4) J13(-1.2,4.4) J14(-0.4,4.4) J15(0.4,4.4) J16(1.2,4.4) J17(2,4.4) J18(2.8,4.4) J19(3.6,4.4) J20(4.4,4.4) J21(5.2,4.4) J22(6,4.4) J23(6.8,4.4) J24(7.6,4.4) J25(8.4,4.4) J26(9.2,4.4) J27(10,4.4) J28(10.8,4.4) K1(-10.8,3.6) K2(-10,3.6) K3(-9.2,3.6) K4(-8.4,3.6) K5(-7.6,3.6) K6(-6.8,3.6) K7(-6,3.6) K8(-5.2,3.6) K9(-4.4,3.6) K10(-3.6,3.6) K11(-2.8,3.6) K12(-2,3.6) K13(-1.2,3.6) K14(-0.4,3.6) K15(0.4,3.6) K16(1.2,3.6) K17(2,3.6) K18(2.8,3.6) K19(3.6,3.6) K20(4.4,3.6) K21(5.2,3.6) K22(6,3.6) K23(6.8,3.6) K24(7.6,3.6) K25(8.4,3.6) K26(9.2,3.6) K27(10,3.6) K28(10.8,3.6) L1(-10.8,2.8) L2(-10,2.8) L3(-9.2,2.8) L4(-8.4,2.8) L5(-7.6,2.8) L6(-6.8,2.8) L7(-6,2.8) L8(-5.2,2.8) L9(-4.4,2.8) L10(-3.6,2.8) L11(-2.8,2.8) L12(-2,2.8) L13(-1.2,2.8) L14(-0.4,2.8) L15(0.4,2.8) L16(1.2,2.8) L17(2,2.8) L18(2.8,2.8) L19(3.6,2.8) L20(4.4,2.8) L21(5.2,2.8) L22(6,2.8) L23(6.8,2.8) L24(7.6,2.8) L25(8.4,2.8) L26(9.2,2.8) L27(10,2.8) L28(10.8,2.8) M1(-10.8,2) M2(-10,2) M3(-9.2,2) M4(-8.4,2) M5(-7.6,2) M6(-6.8,2) M7(-6,2) M8(-5.2,2) M9(-4.4,2) M10(-3.6,2) M11(-2.8,2) M12(-2,2) M13(-1.2,2) M14(-0.4,2) M15(0.4,2) M16(1.2,2) M17(2,2) M18(2.8,2) M19(3.6,2) M20(4.4,2) M21(5.2,2) M22(6,2) M23(6.8,2) M24(7.6,2) M25(8.4,2) M26(9.2,2) M27(10,2) M28(10.8,2) N1(-10.8,1.2) N2(-10,1.2) N3(-9.2,1.2) N4(-8.4,1.2) N5(-7.6,1.2) N6(-6.8,1.2) N7(-6,1.2) N8(-5.2,1.2) N9(-4.4,1.2) N10(-3.6,1.2) N11(-2.8,1.2) N12(-2,1.2) N13(-1.2,1.2) N14(-0.4,1.2) N15(0.4,1.2) N16(1.2,1.2) N17(2,1.2) N18(2.8,1.2) N19(3.6,1.2) N20(4.4,1.2) N21(5.2,1.2) N22(6,1.2) N23(6.8,1.2) N24(7.6,1.2) N25(8.4,1.2) N26(9.2,1.2) N27(10,1.2) N28(10.8,1.2) P1(-10.8,0.4) P2(-10,0.4) P3(-9.2,0.4) P4(-8.4,0.4) P5(-7.6,0.4) P6(-6.8,0.4) P7(-6,0.4) P8(-5.2,0.4) P9(-4.4,0.4) P10(-3.6,0.4) P11(-2.8,0.4) P12(-2,0.4) P13(-1.2,0.4) P14(-0.4,0.4) P15(0.4,0.4) P16(1.2,0.4) P17(2,0.4) P18(2.8,0.4) P19(3.6,0.4) P20(4.4,0.4) P21(5.2,0.4) P22(6,0.4) P23(6.8,0.4) P24(7.6,0.4) P25(8.4,0.4) P26(9.2,0.4) P27(10,0.4) P28(10.8,0.4) R1(-10.8,-0.4) R2(-10,-0.4) R3(-9.2,-0.4) R4(-8.4,-0.4) R5(-7.6,-0.4) R6(-6.8,-0.4) R7(-6,-0.4) R8(-5.2,-0.4) R9(-4.4,-0.4) R10(-3.6,-0.4) R11(-2.8,-0.4) R12(-2,-0.4) R13(-1.2,-0.4) R14(-0.4,-0.4) R15(0.4,-0.4) R16(1.2,-0.4) R17(2,-0.4) R18(2.8,-0.4) R19(3.6,-0.4) R20(4.4,-0.4) R21(5.2,-0.4) R22(6,-0.4) R23(6.8,-0.4) R24(7.6,-0.4) R25(8.4,-0.4) R26(9.2,-0.4) R27(10,-0.4) R28(10.8,-0.4) T1(-10.8,-1.2) T2(-10,-1.2) T3(-9.2,-1.2) T4(-8.4,-1.2) T5(-7.6,-1.2) T6(-6.8,-1.2) T7(-6,-1.2) T8(-5.2,-1.2) T9(-4.4,-1.2) T10(-3.6,-1.2) T11(-2.8,-1.2) T12(-2,-1.2) T13(-1.2,-1.2) T14(-0.4,-1.2) T15(0.4,-1.2) T16(1.2,-1.2) T17(2,-1.2) T18(2.8,-1.2) T19(3.6,-1.2) T20(4.4,-1.2) T21(5.2,-1.2) T22(6,-1.2) T23(6.8,-1.2) T24(7.6,-1.2) T25(8.4,-1.2) T26(9.2,-1.2) T27(10,-1.2) T28(10.8,-1.2) U1(-10.8,-2) U2(-10,-2) U3(-9.2,-2) U4(-8.4,-2) U5(-7.6,-2) U6(-6.8,-2) U7(-6,-2) U8(-5.2,-2) U9(-4.4,-2) U10(-3.6,-2) U11(-2.8,-2) U12(-2,-2) U13(-1.2,-2) U14(-0.4,-2) U15(0.4,-2) U16(1.2,-2) U17(2,-2) U18(2.8,-2) U19(3.6,-2) U20(4.4,-2) U21(5.2,-2) U22(6,-2) U23(6.8,-2) U24(7.6,-2) U25(8.4,-2) U26(9.2,-2) U27(10,-2) U28(10.8,-2) V1(-10.8,-2.8) V2(-10,-2.8) V3(-9.2,-2.8) V4(-8.4,-2.8) V5(-7.6,-2.8) V6(-6.8,-2.8) V7(-6,-2.8) V8(-5.2,-2.8) V9(-4.4,-2.8) V10(-3.6,-2.8) V11(-2.8,-2.8) V12(-2,-2.8) V13(-1.2,-2.8) V14(-0.4,-2.8) V15(0.4,-2.8) V16(1.2,-2.8) V17(2,-2.8) V18(2.8,-2.8) V19(3.6,-2.8) V20(4.4,-2.8) V21(5.2,-2.8) V22(6,-2.8) V23(6.8,-2.8) V24(7.6,-2.8) V25(8.4,-2.8) V26(9.2,-2.8) V27(10,-2.8) V28(10.8,-2.8) W1(-10.8,-3.6) W2(-10,-3.6) W3(-9.2,-3.6) W4(-8.4,-3.6) W5(-7.6,-3.6) W6(-6.8,-3.6) W7(-6,-3.6) W8(-5.2,-3.6) W9(-4.4,-3.6) W10(-3.6,-3.6) W11(-2.8,-3.6) W12(-2,-3.6) W13(-1.2,-3.6) W14(-0.4,-3.6) W15(0.4,-3.6) W16(1.2,-3.6) W17(2,-3.6) W18(2.8,-3.6) W19(3.6,-3.6) W20(4.4,-3.6) W21(5.2,-3.6) W22(6,-3.6) W23(6.8,-3.6) W24(7.6,-3.6) W25(8.4,-3.6) W26(9.2,-3.6) W27(10,-3.6) W28(10.8,-3.6) Y1(-10.8,-4.4) Y2(-10,-4.4) Y3(-9.2,-4.4) Y4(-8.4,-4.4) Y5(-7.6,-4.4) Y6(-6.8,-4.4) Y7(-6,-4.4) Y8(-5.2,-4.4) Y9(-4.4,-4.4) Y10(-3.6,-4.4) Y11(-2.8,-4.4) Y12(-2,-4.4) Y13(-1.2,-4.4) Y14(-0.4,-4.4) Y15(0.4,-4.4) Y16(1.2,-4.4) Y17(2,-4.4) Y18(2.8,-4.4) Y19(3.6,-4.4) Y20(4.4,-4.4) Y21(5.2,-4.4) Y22(6,-4.4) Y23(6.8,-4.4) Y24(7.6,-4.4) Y25(8.4,-4.4) Y26(9.2,-4.4) Y27(10,-4.4) Y28(10.8,-4.4)